# KiCad board bells-venn-rounded.kicad_pcb (continued)
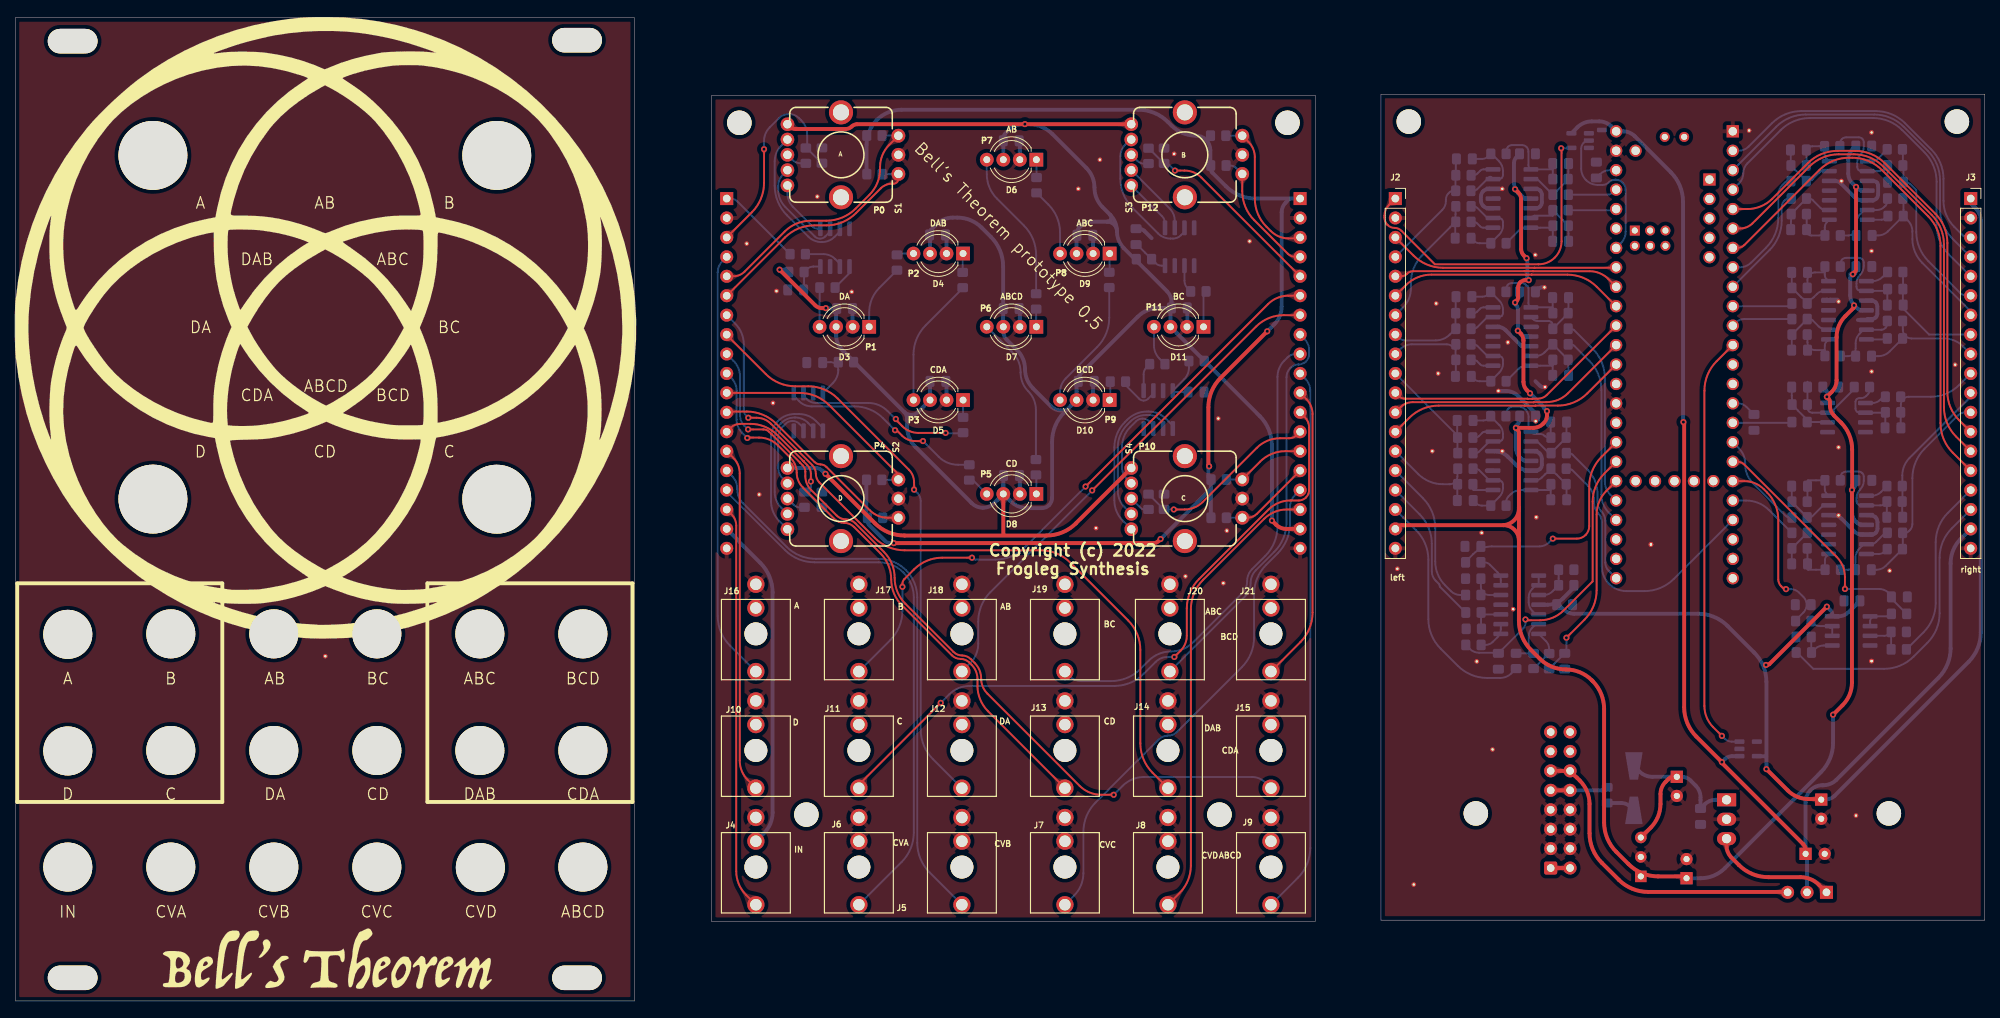
[diagram p0: board, top side]
## Placement (name value [footprint] x y rotation side) (continued)
U3  ADP150-3.3  [TSOT-23-5]  226.44 32.94 0 bottom
U4  TL074  [SOIC-14_3.9x8.7mm_P1.27mm]  239.52 105.92 180 bottom
U5  TL074  [SOIC-14_3.9x8.7mm_P1.27mm]  239.42 90.27 180 bottom
U6  TL074  [SOIC-14_3.9x8.7mm_P1.27mm]  239.43 62.23 180 bottom
U7  TL072  [SOIC-8_3.9x4.9mm_P1.27mm]  239.29 76.25 180 bottom
U8  TL074  [SOIC-14_3.9x8.7mm_P1.27mm]  195.58 104.88 180 bottom
U9  TL074  [SOIC-14_3.9x8.7mm_P1.27mm]  195.58 86.84 180 bottom
U10  TL074  [SOIC-14_3.9x8.7mm_P1.27mm]  195.58 70.59 180 bottom
U11  SN74LV1T34DBV  [SOT-23-5]  204.49 112.46 180 bottom
U12  MCP6004  [SO-14_3.9x8.65mm_P1.27mm]  196.6 51.79 180 bottom
U13  MCP6002-xSN  [SOIC-8_3.9x4.9mm_P1.27mm]  239.9 48.36 180 bottom
U14  WS2811  [SOIC-8_3.9x4.9mm_P1.27mm]  107.11 98.46 270 bottom
U15  WS2811  [SOIC-8_3.9x4.9mm_P1.27mm]  103.63 76.99 90 bottom
U16  WS2811  [SOIC-8_3.9x4.9mm_P1.27mm]  152.15 98.58 270 bottom
U17  WS2811  [SOIC-8_3.9x4.9mm_P1.27mm]  149.35 77.29 90 bottom
U18  L78L10  [TO-92_Inline_Wide]  212.42 16.28 90 bottom

## Library data of the parts
S1-S4 = -: Field4: >Value

## Footprints (pads in the part's own frame, mm; a bottom-side part is the same pattern mirrored in y, then rotated)
C_0805_2012Metric_Pad1.18x1.45mm_HandSolder
  rrect 1.175x1.45 smd: 1(-1.038,0) 2(1.038,0)
Converter_DCDC_RECOM_R-78B-2.0_THT
  rect 1.7x2.5 hole 1.2: 1(0,0)
  oval 1.7x2.5 hole 1.2: 2(2.54,0) 3(5.08,0)
CP_Radial_D5.0mm_P2.50mm
  rect 1.6x1.6 hole 0.8: 1(0,0)
  round 1.6 hole 0.8: 2(2.5,0)
D_SMA-SMB_Universal_Handsoldering
  trapezoid 3.6x1.7 smd: 1(-2.9,0) 2(2.9,0)
ENCODER_LED_3_KIT
  round 1.778 hole 1.1: 1(-4,7) 2(-2,7) 3(0,7) 4(2,7) 5(4,7)
  round 1.8 hole 1.1: A(-2.5,-7.5) B(2.5,-7.5) C(0,-7.5)
  round 3.15 hole 2.1: M1(-5.55,0) M2(5.55,0)
EuroMountingSlot
  oval 6.5x3.2 hole 6.5x3.2 unplated: (0,0)
IDC-Header_2x08_P2.54mm_Vertical
  rrect 1.7x1.7 hole 1: 1(0,0)
  round 1.7 hole 1: 2(2.54,0) 3(0,-2.54) 4(2.54,-2.54) 5(0,-5.08) 6(2.54,-5.08) 7(0,-7.62) 8(2.54,-7.62) 9(0,-10.16) 10(2.54,-10.16) 11(0,-12.7) 12(2.54,-12.7) 13(0,-15.24) 14(2.54,-15.24) 15(0,-17.78) 16(2.54,-17.78)
L_0805_2012Metric_Pad1.15x1.40mm_HandSolder
  rrect 1.15x1.4 smd: 1(-1.025,0) 2(1.025,0)
LED_D5.0mm-4_RGB_Wide_Pins
  rect 1.8x1.8 hole 0.9: 1(0,0)
  round 1.8 hole 0.9: 2(2.159,0) 3(4.318,0) 4(6.477,0)
MountingHole_3.2mm_M3
  round 3.2 hole 3.2 unplated: (0,0)
MountingHole_6.4mm_M6
  round 6.4 hole 6.4 unplated: (0,0)
MountingHole_9mm_dia
  round 9 hole 9 unplated: (0,0)
PinHeader_1x03_P2.54mm_Vertical
  rect 1.7x1.7 hole 1: 1(0,0)
  oval 1.7x1.7 hole 1: 2(0,-2.54) 3(0,-5.08)
PinHeader_1x19_P2.54mm_Vertical
  rect 1.7x1.7 hole 1: 1(0,0)
  oval 1.7x1.7 hole 1: 2(0,-2.54) 3(0,-5.08) 4(0,-7.62) 5(0,-10.16) 6(0,-12.7) 7(0,-15.24) 8(0,-17.78) 9(0,-20.32) 10(0,-22.86) 11(0,-25.4) 12(0,-27.94) 13(0,-30.48) 14(0,-33.02) 15(0,-35.56) 16(0,-38.1) 17(0,-40.64) 18(0,-43.18) 19(0,-45.72)
PinSocket_1x19_P2.54mm_Vertical
  rect 1.7x1.7 hole 1: 1(0,0)
  oval 1.7x1.7 hole 1: 2(0,-2.54) 3(0,-5.08) 4(0,-7.62) 5(0,-10.16) 6(0,-12.7) 7(0,-15.24) 8(0,-17.78) 9(0,-20.32) 10(0,-22.86) 11(0,-25.4) 12(0,-27.94) 13(0,-30.48) 14(0,-33.02) 15(0,-35.56) 16(0,-38.1) 17(0,-40.64) 18(0,-43.18) 19(0,-45.72)
R_0805_2012Metric_Pad1.20x1.40mm_HandSolder
  rrect 1.2x1.4 smd: 1(-1,0) 2(1,0)
SO-14_3.9x8.65mm_P1.27mm
  rrect 1.95x0.6 smd: 1(-2.475,3.81) 2(-2.475,2.54) 3(-2.475,1.27) 4(-2.475,0) 5(-2.475,-1.27) 6(-2.475,-2.54) 7(-2.475,-3.81) 8(2.475,-3.81) 9(2.475,-2.54) 10(2.475,-1.27) 11(2.475,0) 12(2.475,1.27) 13(2.475,2.54) 14(2.475,3.81)
SOIC-8_3.9x4.9mm_P1.27mm
  rrect 1.95x0.6 smd: 1(-2.475,1.905) 2(-2.475,0.635) 3(-2.475,-0.635) 4(-2.475,-1.905) 5(2.475,-1.905) 6(2.475,-0.635) 7(2.475,0.635) 8(2.475,1.905)
SOIC-14_3.9x8.7mm_P1.27mm
  rrect 1.95x0.6 smd: 1(-2.475,3.81) 2(-2.475,2.54) 3(-2.475,1.27) 4(-2.475,0) 5(-2.475,-1.27) 6(-2.475,-2.54) 7(-2.475,-3.81) 8(2.475,-3.81) 9(2.475,-2.54) 10(2.475,-1.27) 11(2.475,0) 12(2.475,1.27) 13(2.475,2.54) 14(2.475,3.81)
SOT-23-5
  rrect 1.325x0.6 smd: 1(-1.137,0.95) 2(-1.137,0) 3(-1.137,-0.95) 4(1.137,-0.95) 5(1.137,0.95)
stitch-via-0.6mm
  round 0.6 hole 0.3: 1(0,0)
stitch-via-0.6mm#2
  round 0.6 hole 0.3: 1(0,0) 1(0,0)
Teensy41
  rect 1.6x1.6 hole 1.1: 1(-29.21,-7.62) 55(-22.911,-4.569)
  round 1.6 hole 1.1: 2(-26.67,-7.62) 3(-24.13,-7.62) 4(-21.59,-7.62) 5(-19.05,-7.62) 6(-16.51,-7.62) 7(-13.97,-7.62) 8(-11.43,-7.62) 9(-8.89,-7.62) 10(-6.35,-7.62) 11(-3.81,-7.62) 12(-1.27,-7.62) 13(1.27,-7.62) 14(3.81,-7.62) 15(6.35,-7.62) 16(8.89,-7.62) 17(11.43,-7.62) 18(13.97,-7.62) 19(16.51,-7.62) 20(19.05,-7.62) 21(21.59,-7.62) 22(24.13,-7.62) 23(26.67,-7.62) 24(29.21,-7.62) 25(29.21,7.62) 26(26.67,7.62) 27(24.13,7.62) 28(21.59,7.62) 29(19.05,7.62) 30(16.51,7.62) 31(13.97,7.62) 32(11.43,7.62) 33(8.89,7.62) 34(6.35,7.62) 35(3.81,7.62) 36(1.27,7.62) 37(-1.27,7.62) 38(-3.81,7.62) 39(-6.35,7.62) 40(-8.89,7.62) 41(-11.43,7.62) 42(-13.97,7.62) 43(-16.51,7.62) 44(-19.05,7.62) 45(-21.59,7.62) 46(-24.13,7.62) 47(-26.67,7.62) 48(-29.21,7.62) 49(-26.67,5.08) 50(16.51,-5.08) 51(16.51,-2.54) 52(16.51,0) 53(16.51,2.54) 54(16.51,5.08) 56(-20.371,-4.569) 57(-17.831,-4.569) 58(-15.291,-4.569) 59(-12.751,-4.569)
  rect 1.3x1.3 hole 0.8: 60(-16.24,5.182)
  round 1.3 hole 0.8: 61(-16.24,3.182) 62(-16.24,1.182) 63(-14.24,1.182) 64(-14.24,3.182) 65(-14.24,5.182) 66(-28.48,-1.27) 67(-28.48,1.27)
thonkiconn
  round 3 hole 3 unplated: (0,0)
  round 2.25 hole 1.5: 1(0,4.92) 2(0,-3.38) 3(0,-6.48)
TO-92_Inline_Wide
  rect 1.5x1.5 hole 0.8: 1(0,0)
  round 1.5 hole 0.8: 2(2.54,0) 3(5.08,0)
TSOT-23-5
  rrect 1.325x0.6 smd: 1(-1.137,0.95) 2(-1.137,0) 3(-1.137,-0.95) 4(1.137,-0.95) 5(1.137,0.95)
unnamed
  round 0.6 hole 0.3: 1(0,0)
unnamed#2
  rrect 1.325x0.6 smd far side: 3(0,0)

## Nets
+3V3: C3.1 C29.1 C33.1 J3.1 J23.1 R1.1 R2.1 R3.1 R4.1 R10.1 R94.1 R95.1 R96.1 R97.1 U3.5 U12.4 U13.8
+5V: C2.1 C40.1 C41.1 C42.1 C43.1 C44.1 C45.1 C46.1 C47.1 C48.1 D3.3 D4.3 D5.3 D6.3 D7.3 D8.3 D9.3 D10.3 D11.3 J3.18 J23.18 J24.2 R19.1 R21.1 R92.1 R100.1 S1.5 S2.5 S3.5 S4.5 U1.48 U3.1 U11.5
+10V: C14.1 C16.1 C18.1 C20.1 C28.1 C36.1 C38.1 C61.1 J2.18 J4.2 J22.18 U4.4 U5.4 U6.4 U7.8 U8.4 U9.4 U10.4 U18.1
+12V: C1.1 C4.1 D1.1 U2.1 U18.3
/main/3Venable: U1.12 U3.3
GND: C1.2 C2.2 C3.2 C4.2 C6.2 C14.2 C16.2 C18.2 C20.2 C28.2 C29.2 C30.2 C31.2 C32.2 C33.2 C36.2 C38.2 C40.2 C41.2 C42.2 C43.2 C44.2 C45.2 C46.2 C47.2 C48.2 C49.2 C50.2 C51.2 C52.2 C53.2 C59.1 C60.2 C61.2 D3.2 D4.2 D5.2 D6.2 D7.2 D8.2 D9.2 D10.2 D11.2 J1.3 J1.4 J1.5 J1.6 J1.7 J1.8 J2.2 J2.19 J3.2 J3.19 J4.3 J5.2 J5.3 J6.2 J6.3 J7.2 J7.3 J8.2 J8.3 J9.3 J10.3 J11.3 J12.3 J13.3 J14.3 J15.3 J16.3 J17.3 J18.3 J19.3 J20.3 J21.3 J22.2 J22.19 J23.2 J23.19 NOREF.1 NOREF#2.1 NOREF#3.1 NOREF#4.3 NOREF#5.1 NOREF#6.1 NOREF#7.1 NOREF#8.1 R5.2 R6.1 R12.2 R16.2 R18.2 R98.2 R99.1 R119.2 R121.2 REF**#25.1 REF**#26.1 REF**#27.1 REF**#32.1 REF**#39.1 REF**#40.1 REF**#41.1 REF**#42.1 REF**#43.1 REF**#44.1 REF**#45.1 REF**#46.1 REF**#47.1 REF**#48.1 REF**#49.1 REF**#50.1 REF**#51.1 REF**#52.1 REF**#53.1 REF**#54.1 REF**#55.1 REF**#56.1 REF**#57.1 REF**#58.1 REF**#59.1 REF**#60.1 REF**#61.1 REF**#62.1 REF**#63.1 REF**#64.1 REF**#65.1 REF**#66.1 REF**#67.1 REF**#68.1 REF**#69.1 REF**#70.1 REF**#71.1 REF**#72.1 REF**#73.1 REF**#74.1 S1.C S2.C S3.C S4.C U1.1 U1.34 U1.47 U2.2 U3.2 U4.3 U4.5 U4.10 U4.11 U4.12 U5.3 U5.5 U5.10 U5.11 U5.12 U6.3 U6.5 U6.10 U6.11 U6.12 U7.3 U7.4 U7.5 U8.3 U8.5 U8.10 U8.11 U8.12 U9.3 U9.5 U9.10 U9.11 U9.12 U10.3 U10.5 U10.10 U10.11 U10.12 U11.3 U12.11 U13.4 U14.4 U15.4 U16.4 U17.4 U18.2
/main/A: C34.2 J2.4 J16.1 J22.4 R80.1 R86.1
/main/AB: C65.1 J3.7 J18.1 J23.7 R51.1 R56.1
/main/ABC: C66.1 J3.8 J20.1 J23.8 R49.1 R57.1
/main/ABCD: C68.1 J3.10 J9.1 J23.10 R54.1 R61.1
/main/B: C64.1 J3.6 J17.1 J23.6 R48.1 R55.1
/main/BC: C63.1 J3.9 J19.1 J23.9 R52.1 R58.1
/main/BCD: C67.1 J3.11 J21.1 J23.11 R50.1 R59.1
/main/C: C62.1 J3.12 J11.1 J23.12 R53.1 R60.1
/main/CD: C54.2 J2.10 J13.1 J22.10 R82.1 R90.1
/main/CDA: C56.2 J2.9 J15.1 J22.9 R84.1 R89.1
/main/CVA: J2.16 J5.1 J22.16 R117.2
/main/CVB: J2.15 J6.1 J22.15 R116.2
/main/CVC: J3.16 J7.1 J23.16 R13.2
/main/CVD: J3.17 J8.1 J23.17 R15.2
/main/D: C58.2 J2.14 J10.1 J22.14 R85.1 R91.1
/main/DA: C55.2 J2.8 J12.1 J22.8 R81.1 R88.1
/main/DAB: C57.2 J2.7 J14.1 J22.7 R83.1 R87.1
/main/ENCA_A: J2.6 J22.6 R3.2 S1.A U1.39
/main/ENCA_B: J2.5 J22.5 R1.2 S1.B U1.40
/main/ENCA_SW: J2.3 J22.3 R5.1 R104.2 U1.41
/main/ENCB_A: J3.4 J23.4 R96.2 S3.A U1.3
/main/ENCB_B: J3.3 J23.3 R94.2 S3.B U1.2
/main/ENCB_SW: J3.5 J23.5 R98.1 R136.2 U1.4
/main/ENCC_A: J3.15 J23.15 R97.2 S4.A U1.7
/main/ENCC_B: J3.14 J23.14 R95.2 S4.B U1.6
/main/ENCC_SW: J3.13 J23.13 R99.2 R135.2 U1.5
/main/ENCD_A: J2.12 J22.12 R4.2 S2.A U1.37
/main/ENCD_B: J2.11 J22.11 R2.2 S2.B U1.38
/main/ENCD_SW: J2.13 J22.13 R6.2 R132.2 U1.36
/main/IN: J2.17 J4.1 J22.17 R118.2
/main/left outs/A_in: R62.2 U1.45
/main/left outs/CD_in: R66.2 U1.25
/main/left outs/CDA_in: R65.2 U1.28
/main/left outs/D_in: R67.2 U1.21
/main/left outs/DA_in: R63.2 U1.29
/main/left outs/DAB_in: R64.2 U1.44
/main/np_ctl: J2.1 J22.1 R9.1 U11.4
/main/right outs/AB_in: R14.2 U1.9
/main/right outs/ABC_in: R17.2 U1.10
/main/right outs/ABCD_in: R29.2 U1.16
/main/right outs/B_in: R11.2 U1.8
/main/right outs/BC_in: R20.2 U1.11
/main/right outs/BCD_in: R23.2 U1.17
/main/right outs/C_in: R26.2 U1.20
/main/scaleleft/CVA_out: C49.1 R129.1 U1.31
/main/scaleleft/CVB_out: C50.1 R128.1 U1.32
/main/scaleleft/IN_out: C51.1 R130.1 U1.30
/main/scaleright/CVC_out: C53.1 R114.1 U1.18
/main/scaleright/CVD_out: C52.1 R115.1 U1.19
Net-(C6-Pad1): C6.1 R19.2 U14.8
Net-(C7-Pad1): C7.1 R32.1 R41.2 U4.14
Net-(C7-Pad2): C7.2 R11.1 R32.2 U4.13
Net-(C8-Pad1): C8.1 R35.1 R43.2 U5.14
Net-(C8-Pad2): C8.2 R17.1 R35.2 U5.13
Net-(C9-Pad1): C9.1 R37.1 R42.2 U4.8
Net-(C9-Pad2): C9.2 R14.1 R37.2 U4.9
Net-(C10-Pad1): C10.1 R38.1 R44.2 U5.8
Net-(C10-Pad2): C10.2 R20.1 R38.2 U5.9
Net-(C11-Pad1): C11.1 R36.1 R45.2 U6.14
Net-(C11-Pad2): C11.2 R23.1 R36.2 U6.13
Net-(C12-Pad1): C12.1 R39.1 R46.2 U6.8
Net-(C12-Pad2): C12.2 R26.1 R39.2 U6.9
Net-(C13-Pad1): C13.1 R40.1 R47.2 U7.7
Net-(C13-Pad2): C13.2 R29.1 R40.2 U7.6
Net-(C22-Pad1): C22.1 R62.1 R68.2 U8.2
Net-(C22-Pad2): C22.2 R68.1 R74.2 U8.1
Net-(C23-Pad1): C23.1 R64.1 R71.2 U8.6
Net-(C23-Pad2): C23.2 R71.1 R75.2 U8.7
Net-(C24-Pad1): C24.1 R63.1 R69.2 U9.2
Net-(C24-Pad2): C24.2 R69.1 R76.2 U9.1
Net-(C25-Pad1): C25.1 R65.1 R72.2 U9.6
Net-(C25-Pad2): C25.2 R72.1 R77.2 U9.7
Net-(C26-Pad1): C26.1 R66.1 R70.2 U10.2
Net-(C26-Pad2): C26.2 R70.1 R78.2 U10.1
Net-(C27-Pad1): C27.1 R67.1 R73.2 U10.6
Net-(C27-Pad2): C27.2 R73.1 R79.2 U10.7
Net-(C30-Pad1): C30.1 R92.2 U16.8
Net-(C31-Pad1): C31.1 R100.2 U17.8
Net-(C32-Pad1): C32.1 R21.2 U15.8
Net-(C34-Pad1): C34.1 R74.1 R80.2 U8.13
Net-(C54-Pad1): C54.1 R78.1 R82.2 U10.13
Net-(C55-Pad1): C55.1 R76.1 R81.2 U9.13
Net-(C56-Pad1): C56.1 R77.1 R84.2 U9.9
Net-(C57-Pad1): C57.1 R75.1 R83.2 U8.9
Net-(C58-Pad1): C58.1 R79.1 R85.2 U10.9
Net-(C59-Pad2): C59.2 U1.15
Net-(C60-Pad1): C60.1 U1.46
Net-(C62-Pad2): C62.2 R46.1 R53.2 U6.6
Net-(C63-Pad2): C63.2 R44.1 R52.2 U5.6
Net-(C64-Pad2): C64.2 R41.1 R48.2 U4.2
Net-(C65-Pad2): C65.2 R42.1 R51.2 U4.6
Net-(C66-Pad2): C66.2 R43.1 R49.2 U5.2
Net-(C67-Pad2): C67.2 R45.1 R50.2 U6.2
Net-(C68-Pad2): C68.2 R47.1 R54.2 U7.2
Net-(D1-Pad2): D1.2 L1.1
Net-(D3-Pad1): D3.1 R8.2
Net-(D3-Pad4): D3.4 R7.2
Net-(D4-Pad1): D4.1 R22.1
Net-(D4-Pad4): D4.4 R8.1
Net-(D5-Pad1): D5.1 R25.2
Net-(D5-Pad4): D5.4 R22.2
Net-(D6-Pad1): D6.1 R30.1
Net-(D6-Pad4): D6.4 R27.1
Net-(D7-Pad1): D7.1 R27.2
Net-(D7-Pad4): D7.4 R28.1
Net-(D8-Pad1): D8.1 R28.2
Net-(D8-Pad4): D8.4 R24.1
Net-(D9-Pad1): D9.1 R31.1
Net-(D9-Pad4): D9.4 R30.2
Net-(D10-Pad1): D10.1 R33.1
Net-(D10-Pad4): D10.4 R31.2
Net-(D11-Pad1): D11.1 R93.2
Net-(D11-Pad4): D11.4 R34.1
Net-(J1-Pad1): J1.1 J1.2
Net-(J1-Pad10): J1.9 J1.10 L1.2
Net-(J1-Pad11): J1.11 J1.12 J24.3
Net-(J24-Pad1): J24.1 U2.3
Net-(R7-Pad1): R7.1 U14.5
Net-(R9-Pad2): R9.2 U14.6
Net-(R10-Pad2): R10.2 R12.1 U12.3
Net-(R13-Pad1): R13.1 R16.1 U13.3
Net-(R15-Pad1): R15.1 R18.1 U13.5
Net-(R24-Pad2): R24.2 U15.5
Net-(R25-Pad1): R25.1 U15.6
Net-(R33-Pad2): R33.2 U17.6
Net-(R34-Pad2): R34.2 U17.5
Net-(R55-Pad2): R55.2 U4.1
Net-(R56-Pad2): R56.2 U4.7
Net-(R57-Pad2): R57.2 U5.1
Net-(R58-Pad2): R58.2 U5.7
Net-(R59-Pad2): R59.2 U6.1
Net-(R60-Pad2): R60.2 U6.7
Net-(R61-Pad2): R61.2 U7.1
Net-(R86-Pad2): R86.2 U8.14
Net-(R87-Pad2): R87.2 U8.8
Net-(R88-Pad2): R88.2 U9.14
Net-(R89-Pad2): R89.2 U9.8
Net-(R90-Pad2): R90.2 U10.14
Net-(R91-Pad2): R91.2 U10.8
Net-(R93-Pad1): R93.1 U16.6
Net-(R104-Pad1): R104.1 S1.3
Net-(R114-Pad2): R114.2 U13.1 U13.2
Net-(R115-Pad2): R115.2 U13.6 U13.7
Net-(R116-Pad1): R116.1 R119.1 U12.12
Net-(R117-Pad1): R117.1 R121.1 U12.10
Net-(R118-Pad1): R118.1 R120.1 U12.6
Net-(R120-Pad2): R120.2 R130.2 U12.7
Net-(R128-Pad2): R128.2 U12.13 U12.14
Net-(R129-Pad2): R129.2 U12.8 U12.9
Net-(R132-Pad1): R132.1 S2.3
Net-(R135-Pad1): R135.1 S4.3
Net-(R136-Pad1): R136.1 S3.3
Net-(S1-Pad1): S1.1 U14.1
Net-(S1-Pad2): S1.2 U14.2
Net-(S1-Pad4): S1.4 U14.3
Net-(S2-Pad1): S2.1 U15.1
Net-(S2-Pad2): S2.2 U15.2
Net-(S2-Pad4): S2.4 U15.3
Net-(S3-Pad1): S3.1 U16.1
Net-(S3-Pad2): S3.2 U16.2
Net-(S3-Pad4): S3.4 U16.3
Net-(S4-Pad1): S4.1 U17.1
Net-(S4-Pad2): S4.2 U17.2
Net-(S4-Pad4): S4.4 U17.3
Net-(U1-Pad42): U1.42 U11.2
Net-(U12-Pad1): U12.1 U12.2 U12.5

Pads without a net: J1 13 14 15 16; J9 2; J10 2; J11 2; J12 2; J13 2; J14 2; J15 2; J16 2; J17 2; J18 2; J19 2; J20 2; J21 2; S1 M1 M2; S2 M1 M2; S3 M1 M2; S4 M1 M2; U1 13 14 22 23 24 26 27 33 35 43 49 50 51 52 53 54 55 56 57 58 59 60 61 62 63 64 65 66 67; U3 4; U11 1; U14 7; U15 7; U16 5 7; U17 7

## Via types
v1: diameter 0.8, hole 0.4, Top to Bottom, 54 vias

## Routing (per net, layer and track width the routed paths; a pad name or vN(x,y) marks a point on that pad's centre or on a via; arc(x,y) is an arc through that point)
+3V3: length 332.6
  Top w0.508: v1(156.01,69.88) 155.96,69.93 arc(155.92,69.98) 155.91,70.05 155.91,77.58 arc(156.32,79.66) 157.5,81.43 v1(163.6,87.53) ; v1(228.83,30.3) 231.61,27.52 arc(232.86,26.68) 234.33,26.39 235.93,26.39 ; v1(149.66,60.38) 149.39,60.11 arc(149.09,59.91) 148.75,59.84 v1(114.78,59.84) ; v1(228.78,43.92) 228.94,43.92 arc(229.1,43.95) 229.22,44.03 v1(236.73,51.54)
  Bottom w0.508: 203.68,54.04 202.25,52.62 arc(201.33,52.01) 200.25,51.79 U12.4 ; 111.24,108.08 111.24,111.91 arc(111.59,113.66) 112.58,115.15 arc(114.06,116.14) 115.81,116.48 146.77,116.48 arc(148.85,116.07) 150.62,114.89 151.09,114.42 arc(152.56,113.44) 154.29,113.09 arc(155.61,112.54) 156.16,111.22 156.16,108.99 ; 235.97,26.35 236.62,26.35 arc(237.22,26.47) 237.74,26.81 255.25,44.33 arc(256.43,46.09) 256.84,48.18 256.84,102.01 arc(256.67,102.87) 256.18,103.61 255.74,104.05 arc(255.58,104.29) 255.52,104.57 J3.1 ; 111.21,68.11 111.21,63.27 ; v1(228.83,30.3) 228.83,41.69 arc(228.41,43.77) 227.23,45.54 223.75,49.02 arc(221.99,50.2) 219.9,50.61 203.7,50.61 arc(202.93,50.77) 202.28,51.2 201.69,51.79 ; v1(236.73,51.54) 237.23,51.04 arc(237.38,50.81) 237.43,50.55 arc(237.51,50.35) 237.71,50.27 238.22,50.27 arc(238.95,50.41) 239.57,50.83 C29.1 ; 111.33,63.16 111.33,62.81 arc(111.39,62.48) 111.58,62.21 113.65,60.14 arc(113.97,59.92) 114.36,59.84 v1(114.78,59.84) ; v1(156.01,69.88) 155.96,69.82 arc(155.92,69.77) 155.91,69.7 155.91,68.47 ; v1(149.66,60.38) 156.22,66.94 ; v1(163.6,87.53) 164.54,88.47 arc(165.24,89.51) 165.48,90.74 165.48,103.08 arc(165.62,103.76) 166.01,104.35 166.54,104.88 ; U3.5 228.82,31.99 ; 156.22,68.15 156.22,63.18 ; J23.1 162.06,104.88 arc(159.98,105.29) 158.22,106.47 156.44,108.25 arc(156.26,108.52) 156.19,108.84 156.19,109.19
+5V: length 498.9
  Top w0.508: v1(99.87,95.58) 104.54,90.91 arc(104.94,90.64) 105.41,90.55 v1(105.92,90.55) ; J23.18 166.08,61.7 arc(165.36,61.84) 164.76,62.24 v1(164.21,62.79) ; C2.1 233.95,19.7 arc(233.86,20.14) 233.61,20.52 223.05,31.08 arc(223.02,31.12) 223.01,31.17 v1(223.01,31.22) 219.67,34.56 arc(218.49,36.32) 218.08,38.4 218.08,75.47 arc(218.07,75.52) 218.04,75.57 218,75.61 ; 145.83,114.59 110.03,114.59 arc(109.62,114.51) 109.28,114.28 arc(108.93,114.05) 108.53,113.97 101.96,113.97 arc(101.55,114.05) 101.21,114.28 100.9,114.59 ; S4.5 138.6,62.43 arc(136.83,61.25) 134.75,60.83 116.19,60.83 arc(114.11,61.25) 112.34,62.43 v1(105.87,68.9) ; D8.3 129.11,60.88
  Bottom w0.508: U11.5 204.13,114.18 arc(204.99,114.76) 206.01,114.96 206.98,114.96 arc(207.83,114.79) 208.55,114.31 208.56,114.3 arc(209.26,113.83) 210.09,113.67 arc(210.91,113.5) 211.61,113.03 216.34,108.31 arc(217.52,106.54) 217.93,104.46 217.93,75.67 ; 129.94,65.43 130.04,65.34 arc(131.06,64.66) 132.27,64.41 134.14,64.41 arc(134.65,64.52) 135.09,64.81 arc(135.38,65.24) 135.48,65.76 135.48,73.08 arc(135.9,75.16) 137.08,76.93 137.91,77.76 arc(138.48,78.62) 138.68,79.64 138.68,80.74 ; 129.94,65.43 arc(129.33,66.36) 129.11,67.45 ; 129.94,65.43 arc(129.11,65.78) 128.27,65.43 ; v1(105.87,68.9) 105.49,69.28 arc(105.07,69.56) 104.57,69.66 S2.5 ; C43.1 106,90.5 arc(105.97,90.51) 105.94,90.53 v1(105.92,90.55) ; 138.74,100.08 138.74,100.43 arc(138.81,100.75) 138.99,101.02 139.28,101.32 arc(139.88,101.71) 140.58,101.85 142.68,101.85 ; v1(164.21,62.79) 164.21,72.6 arc(163.8,74.68) 162.62,76.45 151.78,87.29 arc(151.17,88.2) 150.95,89.28 150.95,90.44 ; 129.12,112.42 129.12,112.77 arc(129.18,113.09) 129.36,113.37 129.86,113.86 arc(130.68,114.41) 131.65,114.6 132.41,114.6 arc(134.09,114.27) 135.51,113.32 139.96,108.87 arc(140.74,107.69) 141.02,106.3 arc(141.3,104.91) 142.08,103.74 143.06,102.76 ; 137.33,77.18 136.6,77.18 arc(135.93,77.32) 135.36,77.7 132.98,80.08 arc(132.22,81.22) 131.95,82.57 arc(131.68,83.92) 130.92,85.06 129.55,86.43 arc(129.22,86.92) 129.11,87.49 D7.3 ; 119.53,80.97 119.53,79.75 arc(119.31,78.63) 118.67,77.68 117.98,76.98 arc(117.56,76.7) 117.07,76.61 ; C2.1 233.95,25.99 arc(234.12,26.83) 234.59,27.55 arc(235.31,28.03) 236.15,28.19 236.25,28.19 arc(237.18,28.38) 237.98,28.91 251.3,42.24 arc(252.48,44) 252.9,46.08 252.9,57.21 arc(253.24,58.93) 254.21,60.38 J3.18 ; D4.3 119.53,100.08 ; 116.16,76.98 108.05,85.09 arc(107.47,85.96) 107.26,87 107.26,90.42 ; 116.16,76.98 arc(116.44,76.57) 116.54,76.07 ; 116.16,76.98 arc(116.58,76.7) 117.07,76.61 ; U3.1 224.34,31.99 arc(223.83,31.89) 223.4,31.61 v1(223.01,31.22) ; 128.27,65.43 127.92,65.08 arc(127.24,64.62) 126.44,64.47 arc(125.64,64.62) 124.97,65.08 117.63,72.41 arc(116.82,73.63) 116.54,75.06 116.54,76.07 ; 128.27,65.43 arc(128.89,66.36) 129.11,67.45 ; 138.92,80.98 138.92,81.33 arc(138.98,81.65) 139.17,81.92 146.67,89.42 arc(147.95,90.28) 149.45,90.58 150.29,90.58 arc(150.85,90.81) 151.09,91.37 arc(150.94,92.11) 150.52,92.73 144.87,98.38 arc(144.2,99.39) 143.97,100.57 ; 116.54,76.07 arc(116.69,76.45) 117.07,76.61 ; J24.2 234.14,19.04 ; 129.08,88.14 129.08,96.02 arc(128.67,98.1) 127.49,99.87 126.28,101.08 arc(124.83,102.05) 123.11,102.39 122.51,102.39 arc(121.35,102.16) 120.37,101.5 119.66,100.79 arc(119.53,100.6) 119.49,100.37 119.49,100.13 ; v1(99.87,95.58) 100.77,95.58 ; 129.11,67.45 129.11,68.63 ; 142.68,101.85 arc(143.59,101.48) 143.97,100.57 ; 142.68,101.85 arc(143.18,102.18) 143.06,102.76 ; D6.3 129.11,112.41 ; D9.3 138.68,100.02 ; 143.06,102.76 arc(143.73,101.76) 143.97,100.57
  vias: v1(131.93,114.6) v1(217.98,75.67)
+10V: length 319.5
  Top w0.508: v1(197.49,97.08) 197.13,97.43 arc(196.87,97.83) 196.77,98.29 196.77,104.75 arc(196.67,105.27) 196.38,105.7 v1(195.99,106.1) ; 196.49,60.19 196.49,49.71 arc(196.9,47.63) 198.08,45.86 199.2,44.74 arc(200.76,43.7) 202.6,43.33 arc(204.45,42.97) 206.01,41.92 206.11,41.82 arc(207.23,40.15) 207.62,38.17 207.62,23.33 arc(208.03,21.25) 209.21,19.48 210.82,17.88 arc(212.59,16.7) 214.67,16.28 217.98,16.28 arc(218.14,16.25) 218.27,16.16 C61.1 ; 196.49,60.19 196.49,64.53 ; 196.49,60.19 arc(195.9,61.6) 194.49,62.19 ; v1(240.28,90.91) 240.28,90.78 arc(240.26,90.67) 240.2,90.57 239.14,89.52 arc(238.3,88.25) 238,86.76 238,81.14 arc(237.83,80.31) 237.36,79.6 v1(236.73,78.97) 236.93,78.77 arc(237.08,78.55) 237.13,78.29 237.13,77.81 arc(237.27,77.1) 237.67,76.51 238.58,75.59 arc(239.65,73.99) 240.03,72.09 240.03,66.83 arc(240.03,66.81) 240.02,66.8 v1(240.01,66.79) 240.01,41.63 arc(239.69,40.01) 238.77,38.65 v1(237.54,37.41) ; J2.18 180.59,61.94 arc(180.86,62.12) 181.18,62.19 194.49,62.19 ; v1(240.54,106.4) 240.54,95.69 arc(240.48,95.42) 240.33,95.19 v1(240.12,94.98) ; v1(200.15,77.09) 200.15,76.52 arc(200.05,75.99) 199.75,75.54 199.63,75.43 arc(199.05,75.04) 198.37,74.9 v1(196.09,74.9) 196.29,74.71 arc(196.43,74.49) 196.49,74.23 196.49,64.53 ; v1(195.99,91.29) 196.19,91.49 arc(196.33,91.71) 196.39,91.97 196.39,93.24 arc(196.46,93.61) 196.67,93.93 arc(196.98,94.14) 197.35,94.21 v1(197.78,94.21) ; 196.49,64.53 arc(195.9,62.87) 194.49,62.19 ; v1(197.94,79.42) 197.94,79.42 arc(197.94,79.42) 197.94,79.43 197.51,79.86 arc(197.19,80.34) 197.08,80.9 197.08,86.35 arc(196.98,86.83) 196.71,87.24 v1(196.34,87.6)
  Bottom w0.508: 236.82,79 U7.8 ; 236.82,79 236.82,79.12 ; 236.82,79 arc(236.8,79.02) 236.77,79.01 ; U9.4 197.57,86.84 arc(197.12,86.93) 196.74,87.19 196.72,87.2 arc(196.46,87.59) 196.37,88.06 196.37,90.33 arc(196.3,90.68) 196.1,90.97 195.87,91.2 ; J22.18 94.25,60.41 arc(94.26,60.39) 94.27,60.37 arc(94.27,60.34) 94.29,60.32 97.36,57.25 arc(98.54,55.48) 98.96,53.4 98.96,24.61 arc(98.67,23.18) 97.87,21.97 J4.2 ; U6.4 241.42,62.23 arc(240.97,62.32) 240.59,62.57 240.48,62.68 arc(240.15,63.18) 240.03,63.77 240.03,66.48 arc(240.1,66.81) 240.28,67.09 240.29,67.1 arc(240.47,67.37) 240.54,67.7 240.54,68.05 ; 196.58,92.68 196.58,92.33 arc(196.51,92.01) 196.33,91.74 195.87,91.28 ; U5.4 241.41,90.27 arc(240.96,90.36) 240.58,90.62 240.35,90.84 arc(239.92,91.48) 239.78,92.23 239.78,94.54 arc(239.81,94.7) 239.9,94.84 240.03,94.97 ; 240.54,106.4 240.03,106.91 arc(239.65,107.47) 239.52,108.14 239.52,110.03 arc(239.65,110.68) 240.02,111.24 240.52,111.73 ; 240.54,106.4 240.54,106.4 ; 240.54,106.4 arc(240.54,106.4) v1(240.54,106.4) arc(240.54,106.4) 240.54,106.4 ; v1(240.01,66.79) 240.02,66.78 arc(240.02,66.78) 240.03,66.78 240.03,66.78 ; U8.4 197.57,104.88 arc(197.12,104.97) 196.74,105.22 196.46,105.5 arc(196,106.19) 195.83,107 195.83,109.45 arc(195.93,109.94) 196.21,110.35 196.58,110.72 ; 240.54,106.4 240.78,106.16 arc(241.05,105.98) 241.36,105.92 U4.4 ; 236.82,79.12 236.82,79.35 arc(236.77,79.61) 236.62,79.83 236.21,80.24 ; 236.82,79.12 arc(236.81,79.06) 236.77,79.01 ; 195.87,91.28 arc(195.86,91.24) 195.87,91.2 ; 195.87,91.28 arc(195.87,91.25) 195.89,91.24 ; v1(195.99,91.29) 195.96,91.26 arc(195.94,91.25) 195.91,91.24 195.89,91.24 ; v1(200.15,77.09) 199.79,77.45 arc(199.76,77.49) 199.75,77.55 arc(199.74,77.61) 199.71,77.65 v1(197.94,79.42) ; 195.89,91.24 arc(195.87,91.23) 195.87,91.2 ; v1(195.99,106.1) 197.21,104.88 ; 239.78,94.97 240.1,94.97 arc(240.27,95) 240.41,95.1 arc(240.5,95.24) 240.54,95.4 240.54,95.99 ; C61.1 220.24,16.04 arc(221.95,16.38) 223.39,17.35 235.95,29.9 arc(237.13,31.67) 237.54,33.75 v1(237.54,37.41) ; 236.77,79.01 v1(236.73,78.97) ; v1(197.78,94.21) 197.68,94.3 arc(197.61,94.41) 197.59,94.53 197.59,96.9 arc(197.57,96.97) 197.54,97.03 v1(197.49,97.08) ; 196.6,76.43 196.6,76.03 arc(196.53,75.69) 196.34,75.41 196.18,75.25 arc(196.11,75.15) 196.09,75.03 v1(196.09,74.9) 196.09,72.28 arc(196.22,71.63) 196.58,71.08 196.74,70.93 arc(197.12,70.68) 197.57,70.59 U10.4
+12V: length 26
  Top w0.508: U18.3 213.7,22.65 arc(214.65,24.07) 214.99,25.75 214.99,27.02 arc(215.16,27.89) 215.65,28.63 216.03,29.01 arc(216.35,29.22) 216.72,29.3 C4.1
  Bottom w0.508: C1.1 220.79,25.72 arc(221.42,26.14) 222.16,26.29 U2.1 ; 220.22,25.14 220.22,26.61 arc(220.05,27.44) 219.58,28.14 218.89,28.83 arc(218.38,29.18) 217.77,29.3 C4.1 213.93,29.3 arc(213,29.48) 212.22,30.01 D1.1
/main/3Venable: length 55.7
  Top w0.25: U1.12 222.32,83.61 arc(221.14,81.85) 220.73,79.76 220.73,38.55 arc(221.02,37.05) 221.87,35.79 v1(223.01,34.65)
  Bottom w0.25: U3.3 224.3,33.89 arc(223.8,33.99) 223.39,34.27 v1(223.01,34.65)
GND: length 92.3
  Bottom w0.508: U8.3 198.71,106.15 arc(199.01,106.09) 199.26,105.92 arc(199.43,105.67) 199.48,105.37 199.48,104.38 arc(199.43,104.09) 199.26,103.83 arc(199.01,103.67) 198.71,103.61 U8.5 ; U4.5 242.65,104.65 arc(242.95,104.71) 243.2,104.88 arc(243.37,105.13) 243.43,105.42 243.43,106.57 arc(243.38,106.8) 243.25,106.99 arc(243.06,107.12) 242.83,107.16 242.02,107.16 ; D8.2 131.27,68.62 ; D6.2 131.27,112.32 ; 148.49,99.7 147.53,100.66 arc(147.22,100.86) 146.85,100.94 C30.2 ; C38.2 199.01,93.06 arc(199.25,93.21) 199.52,93.27 REF**#55.1 ; 237.49,107.16 237.87,107.16 arc(238.22,107.09) 238.52,106.89 240.37,105.04 arc(240.84,104.73) 241.38,104.62 241.97,104.62 ; 109.4,90.5 109.4,88.14 ; REF**#51.1 192.56,106.15 arc(192.16,106.07) 191.82,105.84 arc(191.6,105.5) 191.52,105.1 191.52,104.65 arc(191.6,104.25) 191.82,103.91 arc(192.16,103.69) 192.56,103.61 U8.10 ; U5.3 242.55,91.54 arc(242.85,91.48) 243.1,91.31 arc(243.27,91.06) 243.32,90.77 243.32,89.84 arc(243.27,89.57) 243.11,89.34 arc(242.88,89.18) 242.61,89.13 242.11,89.13 arc(242.03,89.11) 241.96,89.07 arc(241.89,89.02) 241.81,89 240.79,89 ; 198.65,81 199.23,80.41 arc(199.43,80.28) 199.65,80.24 REF**#53.1 ; C46.2 153.15,88.15 ; U9.3 198.88,88.11 ; U10.3 198.47,71.86 arc(198.85,71.78) 199.18,71.56 199.18,71.56 arc(199.41,71.23) 199.48,70.84 199.48,70.09 arc(199.43,69.8) 199.26,69.54 arc(199.01,69.38) 198.71,69.32 197.94,69.32 arc(196.93,69.52) 196.08,70.09 195.03,71.14 arc(194.23,71.67) 193.3,71.86 192.28,71.86 ; U8.11 193.86,104.88 ; U9.5 196.97,85.57 arc(196.86,85.59) 196.77,85.65 194.74,87.69 arc(194.26,88) 193.71,88.11 U9.12 ; 236.22,91.67 236.73,91.67 arc(236.81,91.65) 236.88,91.61 arc(236.95,91.58) 237.01,91.61 arc(237.08,91.65) 237.16,91.67 238.12,91.67 ; 241.94,63.47 242.46,63.47 arc(242.8,63.41) 243.08,63.22 arc(243.27,62.93) 243.34,62.6 243.34,61.74 arc(243.28,61.44) 243.11,61.19 arc(242.86,61.02) 242.56,60.96 241.32,60.96 arc(240.77,61.07) 240.3,61.38 238.64,63.04 arc(238.16,63.36) 237.6,63.47 236.99,63.47 ; D7.2 131.27,90.39 ; D10.2 140.84,80.85 ; 237.74,62.2 236.99,62.2 ; D4.2 121.69,99.97 ; U10.10 192.28,69.32 ; C28.2 198.66,76.61 arc(198.62,76.78) 198.53,76.93 196.4,79.05 arc(195.65,79.55) 194.76,79.73 REF**#60.1 ; D9.2 140.84,100.03 ; D5.2 121.69,80.87
/main/A: length 72.6
  Bottom w0.25: C34.2 188.28,110.02 arc(188.25,109.97) 188.24,109.91 R86.1 ; J2.4 186.46,103.38 arc(186.82,103.91) 186.94,104.54 186.94,104.74 arc(187.03,105.18) 187.28,105.55 187.42,105.69 arc(187.64,105.84) 187.91,105.89 arc(188.11,105.98) 188.2,106.18 188.2,107.91 ; J22.4 92.38,96.67 arc(91.94,96.02) 91.79,95.25 91.79,50.3 arc(92.2,48.22) 93.38,46.45 J16.1
/main/AB: length 89.8
  Top w0.25: v1(140.72,66.73) 162.12,88.13 arc(163.79,89.24) 165.76,89.64 J23.7
  Bottom w0.25: v1(140.72,66.73) 127.43,53.44 arc(126.25,51.67) 125.83,49.59 125.83,46.7 arc(125.55,45.31) 124.76,44.13 J18.1 ; R56.1 244.71,100.59 arc(244.11,100.19) 243.4,100.05 C65.1 ; 246.74,104.82 246.74,103.42 arc(246.89,102.65) 247.32,102.01 arc(247.75,101.36) 247.9,100.6 247.9,99.59 arc(248.24,97.9) 249.2,96.47 255.52,90.14
/main/ABC: length 67
  Bottom w0.25: 250.07,87.1 J3.8 ; J20.1 160.72,52.9 arc(161.24,53.68) 161.42,54.61 arc(161.61,55.53) 162.13,56.32 164.52,58.71 arc(165.7,60.47) 166.12,62.55 166.12,81.53 arc(166.24,82.17) 166.6,82.71 166.67,82.77 arc(167.13,83.08) 167.68,83.19 167.7,83.19 arc(168.22,83.3) 168.67,83.59 arc(168.96,84.04) 169.07,84.56 169.07,85.09 arc(168.92,85.86) 168.48,86.51 J23.8 ; 250.06,87.12 246.87,90.31 arc(246.75,90.5) 246.7,90.72 246.7,90.93 arc(246.7,90.96) 246.68,90.98 arc(246.67,91) 246.66,91.03 R49.1 ; 246.68,95.28 246.68,93.04
/main/ABCD: length 85.6
  Bottom w0.25: R54.1 246.37,74.96 arc(246.38,74.94) 246.39,74.92 C68.1 ; 246.4,76.94 246.4,77.95 arc(246.7,78.67) 247.41,78.97 250.32,78.97 arc(252.31,79.36) 254,80.49 J3.10 ; J9.1 167.62,16.12 arc(168.8,17.88) 169.21,19.97 169.21,79.76 arc(169.04,80.62) 168.55,81.36 J23.10
/main/B: length 104.2
  Top w0.25: v1(125.02,57.94) 121.13,57.94 arc(119.14,57.54) 117.45,56.41 116.2,55.16 arc(116,54.86) 115.93,54.51 v1(115.93,54.13) ; J23.6 166.35,92.18 arc(164.92,91.89) 163.7,91.08 v1(139.86,67.24)
  Bottom w0.25: J17.1 114.33,47.16 arc(115.51,48.92) 115.93,51 v1(115.93,54.13) ; J3.6 255.02,92.18 arc(254.55,92.27) 254.15,92.54 250.01,96.68 arc(248.83,98.44) 248.41,100.53 248.41,105.98 ; R55.1 246.63,111.28 arc(246.65,111.25) 246.66,111.22 246.66,109.25 arc(246.67,109.2) 246.7,109.16 arc(246.73,109.11) 246.74,109.06 246.74,107.33 arc(246.83,107.1) 247.05,107.01 arc(247.35,106.95) 247.6,106.79 248.41,105.97 ; v1(125.02,57.94) 125.15,57.81 arc(125.29,57.72) 125.45,57.68 128.05,57.68 arc(130.13,58.1) 131.9,59.28 v1(139.86,67.24)
/main/BC: length 78.5
  Bottom w0.25: J3.9 254.51,85.57 arc(253.38,86.32) 252.06,86.59 247.8,86.59 arc(246.99,86.92) 246.65,87.73 246.65,88.87 ; J19.1 137.79,42.43 arc(138.48,41.97) 139.3,41.81 143.19,41.81 arc(145.27,42.22) 147.03,43.4 148.11,44.48 arc(149.44,45.37) 151.02,45.68 arc(152.59,46) 153.92,46.89 160.32,53.28 arc(160.8,54.01) 160.97,54.87 arc(161.14,55.72) 161.63,56.45 163.34,58.16 arc(164.52,59.93) 164.94,62.01 164.94,81.56 arc(165.16,82.71) 165.81,83.68 166.27,84.13 arc(166.74,84.45) 167.29,84.56 J23.9 ; R58.1 244.94,84.9 arc(244.25,84.44) 243.44,84.28 C63.1
